# Altium PCB mutiADC_STM.PcbDoc (part 2 of 2)
Units mil, origin at the board's own origin, x right, y up, seen from the top; angles counter-clockwise.
Board outline 3937.01 x 3937.01 mil, 4 copper layers (Top Layer, Layer 1, Layer 2, Bottom Layer), stack 23.756 mil thick; 166 components, 112 nets, 567 pads, 136 vias.
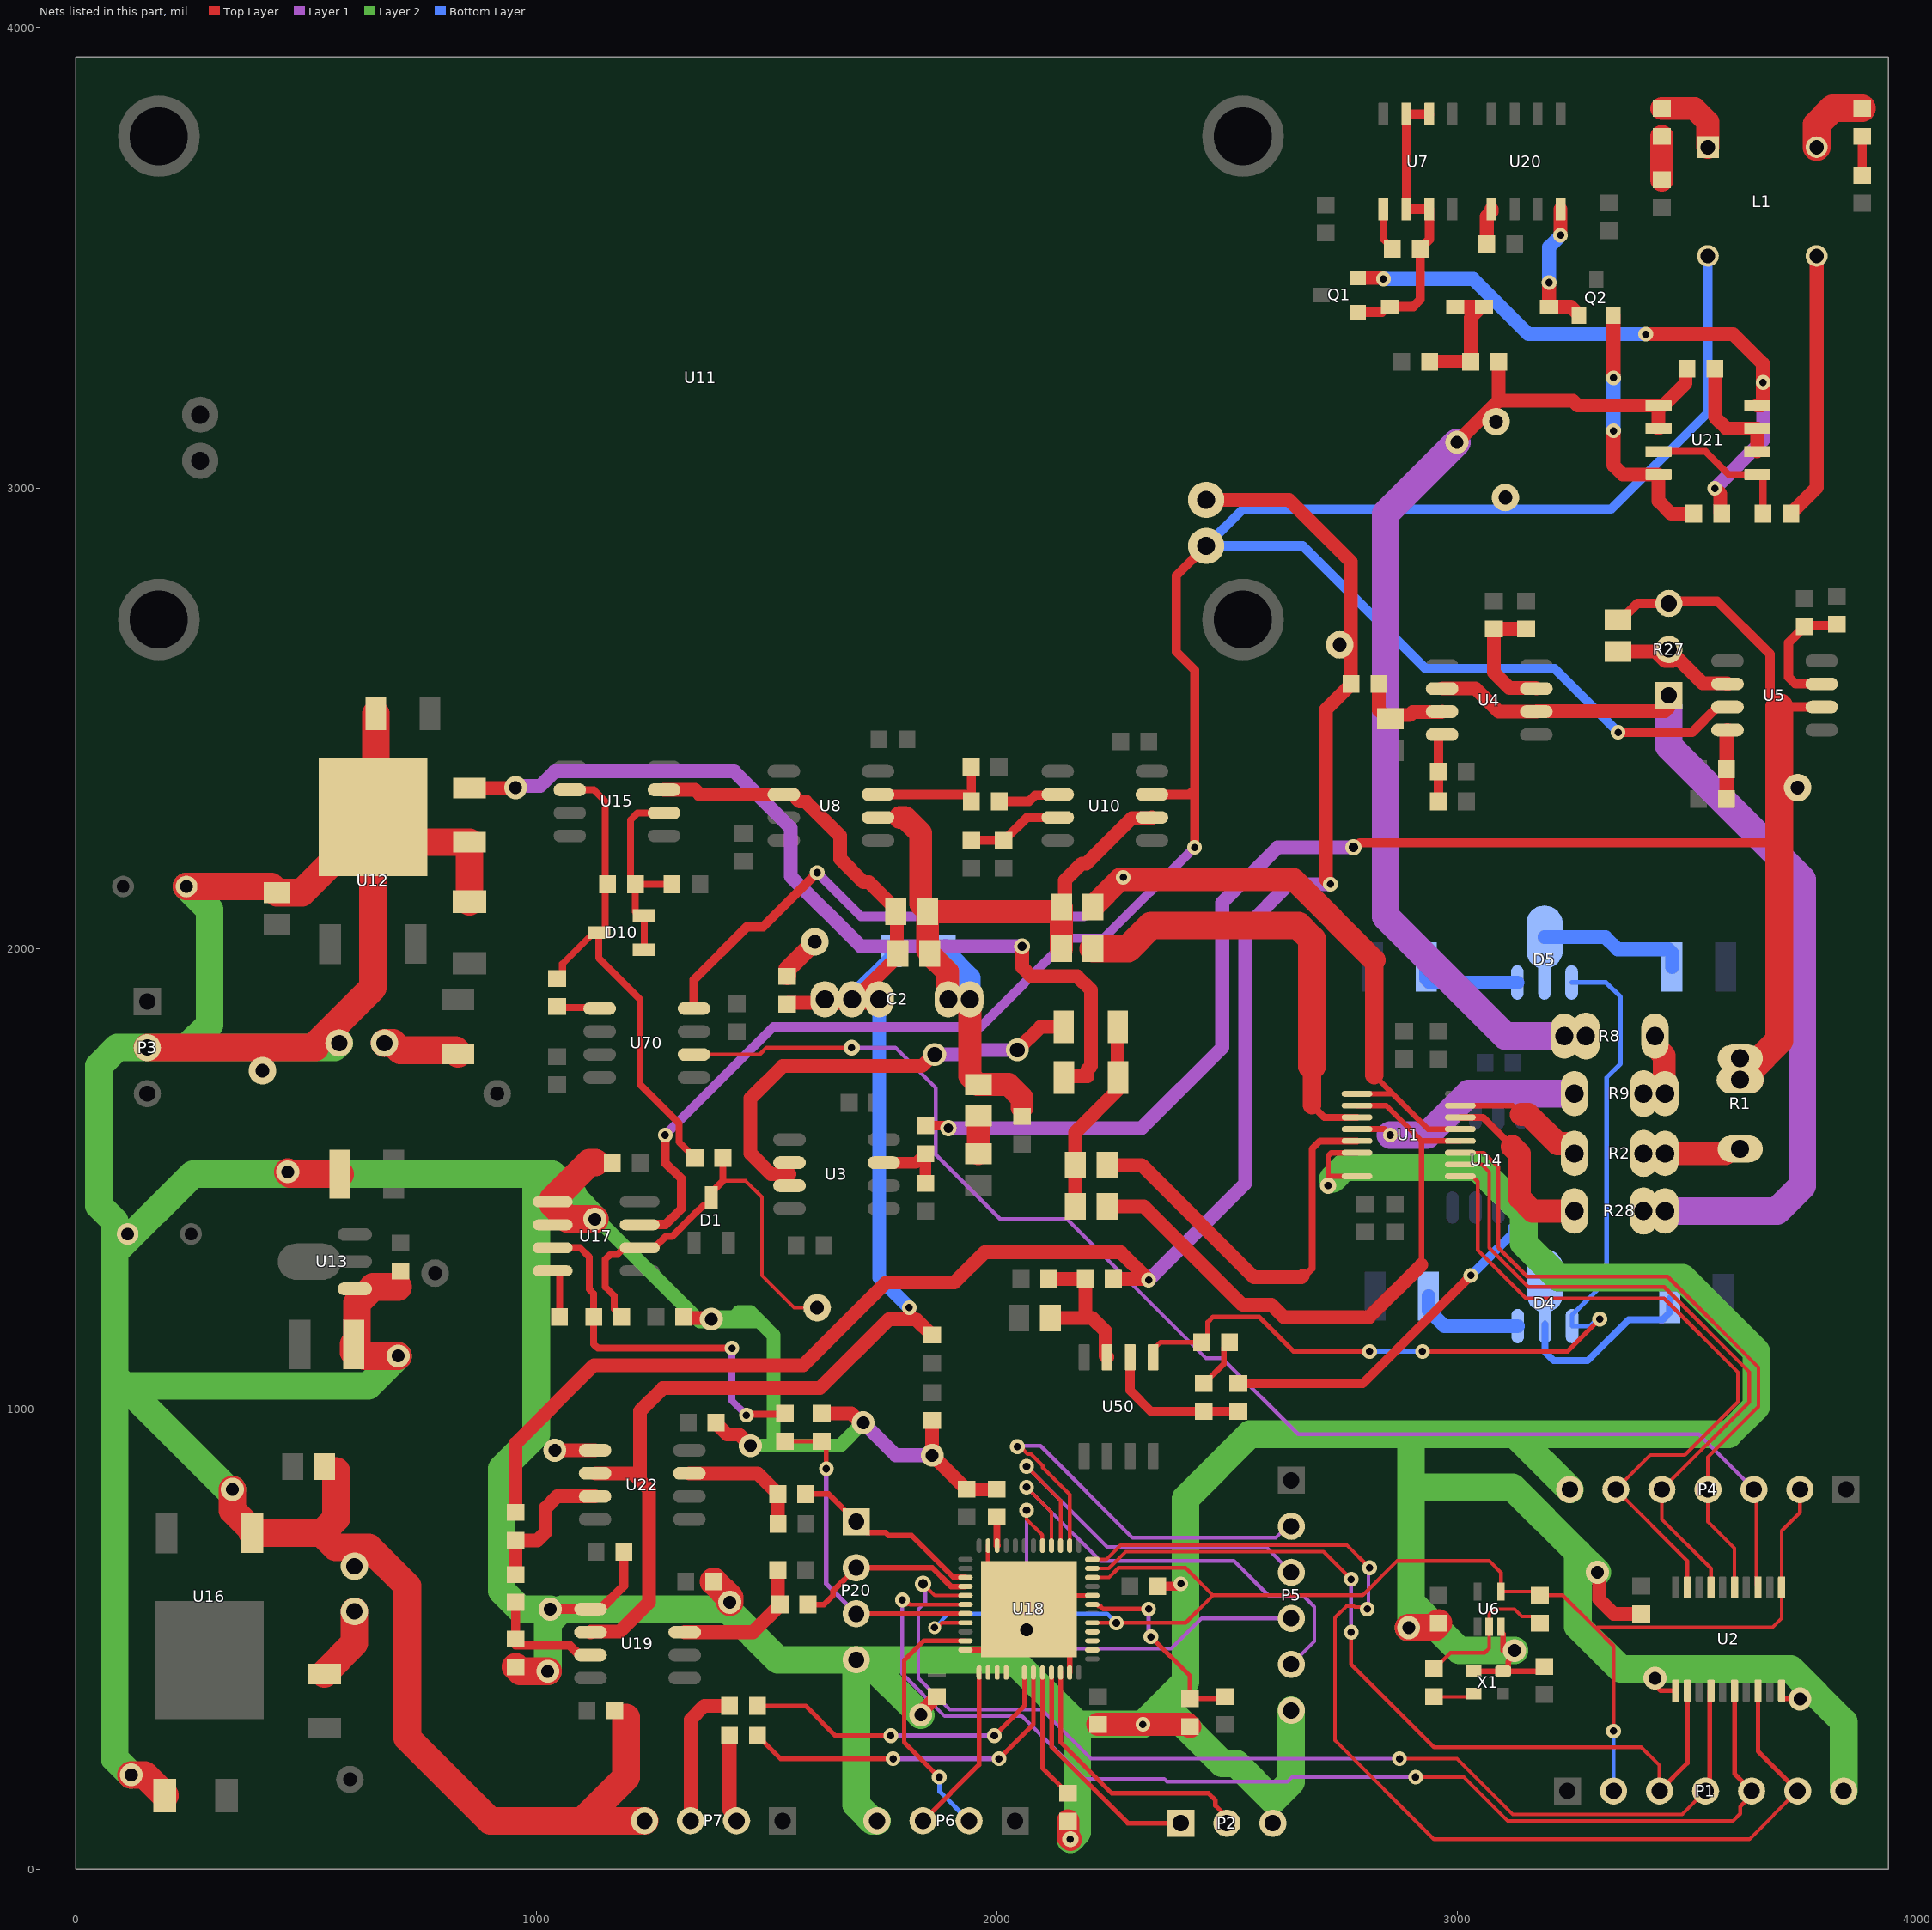
[diagram p4: the nets of this part, all layers, seen from the top]

## Via types
v1: diameter 32, hole 16, Top Layer to Bottom Layer, tented both sides, 52 vias
v2: diameter 50, hole 28, Top Layer to Bottom Layer, tented both sides, 45 vias
v3: diameter 35, hole 20, Top Layer to Bottom Layer, tented both sides, 29 vias
v4: diameter 35, hole 16, Top Layer to Bottom Layer, tented both sides, 7 vias
v5: diameter 50, hole 32, Top Layer to Bottom Layer, tented both sides, 2 vias
v6: diameter 28, hole 16, Top Layer to Bottom Layer, tented both sides, 1 vias

## Nets (pads, with @x,y where several pads share a name; then routed paths per layer and width w, separated by ;. In a path a pad name is that pad's centre, name@x,y a point inside that pad or via, vN(x,y) a via of type N, cw(c..) or ccw(c..) an arc to the next point about the centre after c; other vN are vias at no path point) (continued)
AGND1: R62.2 R99.1 | length 1892.5
  Top Layer w30: R99.1@855,2348.66 953.66,2348.66 v2(955,2350) ; v3(2055,2005) 2055.96,2004.04 2055.96,1959.04 2075,1940 2175,1940 2205,1910 2205,1745 2197.5,1737.5 2197.5,1722.5 2148.84,1722.5 R62.2@2146.34,1720
  Layer 1 w30: v2(955,2350) 958.83,2353.83 1008.83,2353.83 1040,2385 1430,2385 1552.5,2262.5 1552.5,2157.5 1705,2005 v3(2055,2005)
AGND2: R33.2 U1.2 U1.12 | length 1355.5
  Top Layer w12: U1.2@2782.8,1658.98 2782.91,1658.86 2846.14,1658.86 2922.8,1582.2 ; 2922.8,1312.8 2922.8,1582.2 ; U1.12@3007.2,1582.2 2922.8,1582.2
  Top Layer w30: R33.2@2239.45,1440 2320,1440 2534,1226 2597.14,1226 2623.64,1199.5 2809.5,1199.5 2922.8,1312.8
BOOT0: R46.1 U18.44 | length 285.4
  Top Layer w10: U18.44@2099.53,427.2 2099.53,219.8 2154.02,165.31 R46.1@2155,165.31
BUF_OUT: pad.4 R8.2 R15.1 R21.2 U21.1 U21.2 | length 2362.7
  Top Layer w30: v2(3000,3100) 3090.31,3190.31 ; R15.1@3090.31,3275 3090.31,3190.31 ; U21.2@3437.72,3130 U21.1@3437.72,3180 ; R21.2@3499.68,3260 3496.38,3256.69 3496.38,3228.31 3448.07,3180 U21.1@3437.72,3180 ; 3090.31,3190.31 3252.09,3190.31 3262.4,3180 U21.1@3437.72,3180
  Layer 1 w60: v2(3000,3100) 2845,2945 2845,2070 3105,1810 R8.2@3233.15,1810 R8.2@3280,1810
CLOG1: P2.2 U18.46 | length 599.8
  Top Layer w10: U18.46@2138.9,427.2 2138.9,276.1 2250,165 2460,165 2475.31,149.69 2475.31,137.97 2500,113.27 P2.2@2500,100
CLOG2: P2.1 U18.45 | length 510.9
  Top Layer w10: U18.45@2119.21,427.2 2119.21,265.79 2285,100 P2.1@2400,100
CTS256N: P1.4 U2.4 U18.29 | length 2392.4
  Top Layer w8: v3(1840,620) 1865.47,594.53 U18.29@1932.2,594.53 ; v1(2875,240) 3000,240 3121,119 3489,119 P1.4@3540,170
  Top Layer w10: P1.4@3540,170 3548.74,178.74 3548.74,384.92 U2.4@3551.61,387.8
  Layer 1 w8: v3(1840,620) 1845,615 1845,580 1830,565 1830,415 1898.5,346.5 2098.5,346.5 2205,240 v1(2875,240)
CTS256NI: P4.5 U1.10 U2.17 | length 1501.9
  Top Layer w8: U1.10@3007.2,1531.02 3053.98,1531.02 3070,1515 3070,1350 3155,1265 3450,1265 3635,1080 3635,1015 P4.5@3445,825 3445,760 3551.61,653.39 U2.17@3551.61,612.2
CTS256P: P1.5 U2.6 U18.30 | length 2576.7
  Top Layer w8: v1@1805.16,574.84 v1(1795,585) 1801.49,585 1811.65,574.84 U18.30@1932.2,574.84 ; v1(2910,200) 3015,200 3110,105 3600,105 3615.12,120.12 3615.12,136.16 3640,161.04 P1.5@3640,170
  Top Layer w10: U2.6@3602.8,387.8 3602.8,207.2 P1.5@3640,170
  Layer 1 w8: v1(1795,585) 1795,424.5 1887,332.5 2055,332.5 2191.5,196 2364,196 2370,190 2631.75,190 2641.75,200 v1(2910,200)
CTS256PI: P4.4 U1.11 U2.15 | length 1490.9
  Top Layer w8: U1.11@3007.2,1556.61 3058.39,1556.61 3090,1525 3090,1350 3152.5,1287.5 3457.5,1287.5 3655,1090 3655,1005 3545,895 P4.4@3545,825 3545,755 3602.8,697.2 U2.15@3602.8,612.2
CTSZERO: P1.6 U2.8 U18.12 | length 2468.1
  Top Layer w8: U18.12@2207.8,673.27 2238.27,673.27 2269,704 2761,704 v1(2810,655) ; v1(2805,565) 2800.41,569.59 2777.91,569.59 2775.82,571.69 2759.92,571.69 2735,546.77 2735,280 2950,65 3635,65 P1.6@3740,170
  Top Layer w10: U2.8@3653.98,387.8 3653.98,256.02 P1.6@3740,170
  Layer 1 w8: v1(2805,565) 2807.5,567.5 2807.5,652.5 v1(2810,655)
CTSZEROI: P4.3 U2.13 U70.6 | length 3007.9
  Top Layer w8: U70.6@1342.36,1770 1485,1770 1500,1785 v4(1685,1785) ; P4.3@3645,825 3650.1,819.9 3650.1,616.08 U2.13@3653.98,612.2
  Layer 1 w8: v4(1685,1785) 1780,1785 1867.5,1697.5 1867.5,1552.5 2007.5,1412.5 2152.5,1412.5 2455,1110 2490,1110 2655,945 3525,945 P4.3@3645,825
CTVIN: P1.3 U2.2 U18.11 | length 1846.1
  Top Layer w8: U18.11@2207.8,653.58 2243.78,653.58 2280.2,690 2710,690 v1(2770,630) ; v1(2770,515) 2770,445 2950,265 3400,265 3440,225 P1.3@3440,170
  Top Layer w10: P1.3@3440,170 3500.43,230.43 U2.2@3500.43,387.8
  Layer 1 w8: v1(2770,515) v1(2770,630)
CTVINI: P4.6 U1.9 U2.19 | length 1551.9
  Top Layer w8: U1.9@3007.2,1505.43 3033.13,1505.43 3045,1493.56 3045,1345 3150,1240 3450,1240 3610,1080 3610,1015 3495,900 3420,900 P4.6@3345,825 3500.43,669.57 U2.19@3500.43,612.2
D_CS: U18.4
D_SCK: U18.2
D_SDI: U18.3
GND: C6.2 C9.2 C15.2 C23.2 C24.1 C33.2 C34.2 C36.2 C37.2 C38.2 C39.2 C40.2 C41.2 C42.2 C43.2 C44.2 C45.2 C46.2 C52.2 C53.2 C58.2 C90.2 C97.2 C98.2 D6.1 D7.1 P1.7 P2.3 P3.2 P4.7 P5.6 P6.4 P7.4 P20.4 pad.11 R40.1 R46.2 R67.2 R78.1 R85.2 R99.2 U1.6 U1.8 U2.1 U2.10 U6.3 U12.2 U13.1 U16.1 U17.5 U17.6 U18.0 U18.8 U18.23 U18.35 U18.47 U19.1 U22.1 X1.1 X1.2 | length 22781.3
  Top Layer w10: U18.23@1981.42,702.8 1981.42,653.58 U18.0@2070,565 2099.53,594.53 U18.8@2207.8,594.53 ; v2(3430,415) 3430,400 3442.2,387.8 U2.1@3474.84,387.8 ; U2.10@3705.16,387.8 3705.16,372.87 3708.03,370 3708.03,370.57 3744.43,370.57 v2(3745,370)
  Top Layer w12: 1128.38,1535 C42.2@1164.68,1535 ; U18.35@1932.2,476.42 1981.42,476.42 U18.0@2070,565 2158.58,476.42 U18.47@2158.58,427.2 ; v4(2720,1485) 2720,1505 ; U1.8@2782.8,1505.43 2720.43,1505.43 2720,1505 ; U1.6@2782.8,1556.61 2727.03,1556.61 2720,1549.58 2720,1505 ; X1.2@3035.83,430 X1.1@3100,430 X1.1@3104.29,430 ; U6.3@3095.59,526.81 3095.59,515.39 3100,510.98 v2@3100,475 ; v2(3125,475) 3125,464.72 3111.21,450.92 3111.21,436.92 X1.1@3104.29,430 ; C6.2@3190,440.32 3179.69,430 X1.1@3104.29,430
  Top Layer w20: v2(1030,565) U19.1@1117.64,565 1139.29,565 1190,615.71 C38.2@1190,690 ; C46.2@2350.32,615 2395,615 v1(2400,620)
  Top Layer w30: v2(1040,910) U22.1@1127.64,910 ; C41.2@1320.32,1200 1322.82,1197.5 1377.5,1197.5 v2(1380,1195) ; C9.2@1390.32,970 1390.32,969.02 1414.33,945 1440,945 v2(1465,920) ; R78.1@1620,990.31 1684.29,990.3 1704.59,970 v2(1710,970) ; v2(1835,335) 1838.83,338.83 1838.83,344.5 1869.02,374.68 C40.2@1870,374.68 ; R40.1@1860,974.69 v2(1860,899.33) 1934.02,825.32 C52.2@1935,825.32 1935.16,825.47 1999.84,825.47 C53.2@2000,825.63 ; v2(3305,645) 3308.83,641.17 3308.83,586.17 3340.31,554.68 C90.2@3400,554.68
  Top Layer w50: R46.2@2155,104.68 2155,70 v4(2160,65) ; C45.2@2220,314.68 v1(2317.5,314.68) 2415,314.68 C39.2@2420,309.68
  Top Layer w60: v2(120,205) 149.09,205 193.07,161.02 D6.1@193.07,160 ; P3.2@155,1785 520,1785 520,1790 645,1915 U12.2@645,2275.75 ; C23.2@240,2135 423.53,2135 C33.2@436.76,2121.78 491.03,2121.78 U12.2@645,2275.75 ; v2(340,825) 340,779.89 382.96,736.93 U16.1@382.96,730 533.31,730 ; v2(460,1515) 465,1510 C44.2@573.86,1510 ; 565,865 565,761.69 533.31,730 ; R85.2@651.34,2510 651.34,2282.09 U12.2@649.92,2280.67 ; v2(700,1115) 628.07,1115 626.61,1116.46 610.24,1116.46 603.07,1123.62 C43.2@603.07,1140 610.24,1147.17 610.24,1229.85 645.38,1265 700,1265 ; D7.1@855,2101.93 R99.2@855,2231.34 699.25,2231.34 U12.2@649.92,2280.67 ; R67.2@955,439.68 964.68,430 v2(1025,430) ; v2(1127.47,1412.47) 1068.16,1412.47 1035.51,1445.12 1035.51,1454.88 1115.63,1535 1128.38,1535 ; 1195,330 1195,200 1100,105 ; P7.4@1235,105 1100,105 ; C98.2@1385.32,625 1420,590.32 v2(1420,580) ; v2(2895,525) 2950.32,525 C15.2@2960,534.68 ; 533.31,730 564.15,699.15 635.85,699.15 720,615 720,285 900,105 1100,105 ; U12.2@645,2275.75 U12.2@649.92,2280.67
  Layer 1 w30: v2(1710,970) 1780.67,899.33 v2(1860,899.33)
  Layer 2 w30: v2@1130,1415 1355,1190 1485,1190 ; v2(1380,1195) 1383.83,1198.83 1428.97,1198.83 1440.15,1210 1465,1210 1485,1190 ; v2(1465,920) 1515,920 ; v2(1710,970) 1660,920 1515,920 ; 1485,1190 1515,1160 1515,920
  Layer 2 w60: v2(120,205) 83.6,241.4 83.6,1050 105,1050 ; C23.2@240,2135 290,2085 290,1835 240,1785 ; v2(340,825) 330,825 105,1050 ; C34.2@571.69,1795 561.69,1785 240,1785 ; v2(700,1115) 635,1050 105,1050 ; v2(1025,430) 1025,535 1055,565 1415,565 1525,455 P20.4@1695,455 ; v2(1030,565) 965,565 925,605 925,870.15 1000,945.15 1000,1510 ; v2(1127.47,1412.47) 1081.24,1458.71 1081.24,1463.76 1035,1510 1000,1510 ; P6.4@1740,105 1730.15,105 1695,140.15 P20.4@1695,455 ; v2(1835,335) P20.4@1715,455 ; v2(2065,520) 2000,455 ; v4(2160,65) 2175.32,80.32 2175.32,314.68 ; P5.6@2640,345 2640,190 2600,150 2520,230 2490,230 2361.41,358.59 ; 2730,1500 2755,1525 3045,1525 3145,1425 3145,1360 3220,1285 3490,1285 3650,1125 3650,1005 3590,945 3125,945 ; v2(2895,525) 2900,530 2900,580 ; v2(3125,475) 3005,475 2900,580 ; P4.7@3245,825 3125,945 ; v2(3305,645) 3262.5,687.5 ; P1.7@3840,170 3840,320 3725,435 3355,435 3262.5,527.5 3262.5,687.5 ; 83.6,1340 83.6,1408.6 50,1442.2 50,1745 90,1785 P3.2@155,1785 240,1785 ; 83.6,1340 83.6,1071.4 105,1050 ; 83.6,1340 253.6,1510 1000,1510 ; P20.4@1695,455 P20.4@1715,455 ; P20.4@1715,455 2000,455 ; 2000,455 2035,455 2175.32,314.68 ; 2175.32,314.68 v1(2317.5,314.68) 2361.41,358.59 ; 2361.41,358.59 2410,407.18 2410,805 2550,945 2900,945 ; 2900,580 2900,830 ; 2900,830 2900,945 ; 2900,830 3120,830 3262.5,687.5 ; 2900,945 3125,945
  Bottom Layer w50: P2.3@2600,100 P2.3@2600,102.45 ; P5.6@2638.27,343.27 P5.6@2640,345
GNDN: R10.2 U1.5 | length 919.4
  Top Layer w15: 2665,1289.14 2669.14,1289.14 2685,1305 2685,1565 2702.2,1582.2 U1.5@2782.8,1582.2
  Top Layer w30: R10.2@2239.45,1530 2315,1530 2559,1286 2661.86,1286 2665,1289.14
GNDSINK: R61.2 U3.6 U3.7 | length 968.6
  Top Layer w30: 1550,1510 1510,1510 1465,1555 1465,1675 1535,1745 1837.43,1745 1862.43,1770 v5(1865,1770) ; v5(2045,1780) 2095,1830 R61.2@2145.79,1830
  Layer 1 w30: v5(1865,1770) 1940,1770 1950,1780 v5(2045,1780)
GNDT: R10.1 R33.1 R61.1 R62.1 | length 428.3
  Top Layer w30: R33.1@2170.55,1440 R10.1@2170.55,1530 2170.55,1600.55 2263.11,1693.11 R61.1@2263.11,1830
INBUF: R9.1 U1.4 | length 514.8
  Top Layer w13: U1.4@2782.8,1607.8 2842.2,1607.8 v1(2855,1595)
  Layer 1 w60: v1(2855,1595) 2935,1595 3025,1685 R9.1@3255,1685
Net1k_1: 1k.1 D10.1 D10.2 R38.2 U15.2 | length 458.8
  Top Layer w15: D10.1@1234.21,1997.6 D10.2@1234.21,2072.4 1223.39,2072.4 1215.32,2080.47 R38.2@1215.32,2140 ; U15.2@1277.36,2295 1276.79,2294.43 1219.43,2294.43 1205,2280 1205,2150.32 R38.2@1215.32,2140 ; 1k.1@1294.69,2140 R38.2@1215.32,2140
NetC4_1: C4.1 R27.2 U5.2 | length 285.1
  Top Layer w30: C4.1@3350,2645.55 3431.59,2645.55 3452.14,2625 R27.2@3467.86,2625 ; R27.2@3460,2650 3533.78,2576.22 3586.42,2576.22 U5.2@3587.64,2575
NetC5_2: C5.2 R4.2 U4.7 | length 271.5
  Top Layer w30: R4.2@3150,2694.68 C5.2@3080,2694.68 3080,2600 3113.78,2566.22 3171.14,2566.22 U4.7@3172.36,2565
NetC7_2: C7.2 R5.2 U5.7 | length 261.7
  Top Layer w20: C7.2@3745.71,2690.39 3720,2664.68 3720,2590 3735,2575 U5.7@3792.36,2575 ; C7.2@3755,2699.68 3757.5,2702.18 3822.5,2702.18 R5.2@3825,2704.68
NetC13_1: C13.1 X1.3 | length 88.7
  Top Layer w8: C13.1@2950,374.68 3028.94,374.68 X1.3@3035.83,381.57
NetC13_2: C13.2 R3.2 U6.2 | length 340.2
  Top Layer w8: C13.2@2950,435.32 2950.98,435.32 2985.67,470 3060,470 3070,480 U6.2@3070,526.81 3070,555 3080,565 3125,565 3141.01,548.99 3165.69,548.99 R3.2@3180,534.68
NetC16_2: C16.2 R12.2 U4.3 | length 208.4
  Top Layer w30: R12.2@2830.32,2575 2830.32,2518.03 2848.9,2499.45 C16.2@2855,2499.45 2862.83,2507.28 2897.28,2507.28 2903.78,2513.78 2966.42,2513.78 U4.3@2967.64,2515
NetC19_2: C19.2 R16.1 U4.4 | length 150.9
  Top Layer w20: R16.1@2959.69,2320 2959.69,2461.51 2963.18,2465 U4.4@2967.64,2465
NetC20_2: C20.2 D2.1 D3.2 R15.2 | length 277.3
  Top Layer w30: C20.2@2940.32,3275 R15.2@3029.68,3275 3029.68,3370.87 3053.82,3395 D2.1@2995.87,3395
NetC22_2: C22.2 R19.1 U5.4 | length 151.6
  Top Layer w30: R19.1@3585.31,2325 3585.31,2473.78 3586.54,2475 U5.4@3587.64,2475
NetC28_2: C28.2 R29.2 | length 81.7
  Top Layer w50: R29.2@1960,1554.45 C28.2@1960,1636.1
NetC29_1: C29.1 R23.1 | length 94.4
  Top Layer w50: C29.1@3445,3670.31 R23.1@3445,3764.69
NetC30_1: C30.1 R13.1 U10.7 | length 208.2
  Top Layer w20: R13.1@1945,2235.31 C30.1@2015,2235.32 2015.98,2235.32 2065.67,2285 U10.7@2132.64,2285
NetC34_1: C34.1 R35.2 | length 171
  Top Layer w60: C34.1@670.12,1795 688.66,1795 704.57,1779.09 824.57,1779.09 830,1773.66 R35.2@830,1771.34
NetC37_1: C37.1 R36.2 | length 163.1
  Top Layer w60: R36.2@540,423.66 540,425.98 605,490.98 C37.1@605,559.88
NetC50_1: C50.1 R50.2 | length 113.3
  Top Layer w12: R50.2@2450,1055.32 2450.98,1055.32 2493.32,1097.65 2493.32,1132.69 C50.1@2505.63,1145
NetC50_2: C50.2 D4.1 D5.1 U50.1 | length 2037.5
  Top Layer w10: U50.1@2340,1112.28 2340,1129.02 2355.98,1145 C50.2@2445,1145 2458.31,1158.31 2458.31,1188.31 2470,1200 2570,1200 2645,1125 v1(2810,1125) ; v1(2925,1125) 3240,1125 v1(3310,1195)
  Bottom Layer w10: v1(2810,1125) v1(2925,1125) ; D5.1@3249.06,1926.57 3323.43,1926.57 3355,1895 3355,1750 3325,1720 3325,1278.62 3250,1203.62 D4.1@3250,1180 3289.05,1180 3304.05,1195 v1(3310,1195)
NetC51_2: C51.2 R53.1 R58.2 U50.3 | length 356.7
  Top Layer w30: R58.2@2113.46,1282.47 R53.1@2192.83,1282.47 2192.83,1205.3 2185,1197.47 ; C51.2@2117.05,1197.47 2185,1197.47 ; U50.3@2240,1112.28 2236.81,1115.47 2236.81,1168.19 2207.53,1197.47 2185,1197.47
NetC55_1: C55.1 R24.1 | length 84.7
  Top Layer w20: C55.1@3880,3680.31 R24.1@3880,3765
NetD1_3: D1.3 pad.7 R56.2 R81.1 U17.2 | length 946.2
  Top Layer w8: 1405.32,1495.35 1454.65,1495.35 1490,1460 1490,1290 1560,1220 pad.7@1610,1220
  Top Layer w15: R81.1@1185.31,1200 1185.31,1200.98 1169.36,1216.94 1169.36,1245.64 1150,1265 1150,1325 1160.61,1335.61 1176.27,1335.61 1190.66,1350 U17.2@1224.49,1350 1255.98,1350 1280.98,1375 1295,1375 1345,1425 1345.79,1425 1362.89,1442.11 1373.72,1442.11 1380,1448.39 D1.3@1380,1459.21 1380,1470.04 1405.32,1495.35 R56.2@1405.32,1545
NetD2_2: D2.2 Q1.1 R14.2 U7.2 U7.3 U7.6 U7.7 | length 658.6
  Top Layer w20: Q1.1@2784.37,3382.6 2836.81,3382.6 2849.21,3395 D2.2@2854.13,3395 2905,3395 2920.32,3410.32 R14.2@2920.32,3520 2920.32,3520.98 2940,3540.67 U7.3@2940,3606.65 U7.2@2890,3606.65 U7.7@2890,3813.35 U7.6@2940,3813.35
NetD3_1: D3.1 Q2.1 U20.4 | length 296.6
  Top Layer w30: v1(3200,3447) D3.1@3200,3395 3200.24,3394.76 3247.4,3394.76 3265.2,3376.97 Q2.1@3265.2,3375 ; v1(3225,3550) U20.4@3225,3606.65
  Bottom Layer w30: v1(3200,3447) 3200,3524.46 3225,3549.46 v1(3225,3550)
NetD4_2: D4.2 R32.1 | length 412.7
  Bottom Layer w15: D4.2@3190.94,1183.94 3190.94,1124.06 3210,1105 3283.82,1105 3372.78,1193.96 3446.59,1193.96 3461.93,1209.29 R32.1@3461.93,1240
NetD4_3: D4.3 R55.2 | length 238.7
  Bottom Layer w30: R55.2@2938.07,1245 2938.07,1214.29 2972.36,1180 D4.3@3131.89,1180
NetD5_2: D5.2 R48.1 | length 321.8
  Bottom Layer w30: D5.2@3190,2025 3322.58,2025 3349.03,1998.54 3459.09,1998.54 3466.93,1990.71 R48.1@3466.93,1960
NetD5_3: D5.3 R57.2 | length 226.7
  Bottom Layer w30: R57.2@2933.07,1960 2933.07,1934.41 2940.91,1926.57 D5.3@3130.94,1926.57
NetL1_3: L1.3 R18.1 | length 583.2
  Top Layer w30: R18.1@3725.31,2945 3725.31,2945.98 3781.22,3001.89 L1.3@3781.22,3505
NetR1_1: R1.1 R2.2 | length 214.1
  Top Layer w50: R2.2@3405,1555 R2.2@3451.85,1555 3582.86,1555 3592.86,1565 R1.1@3615,1565
NetR8_1: R8.1 R9.2 | length 134.1
  Top Layer w50: R8.1@3430,1810 3430,1787.86 3450.12,1767.75 3450.12,1686.73 R9.2@3451.85,1685
NetR14_1: R14.1 U7.1 | length 94.8
  Top Layer w15: U7.1@2840,3606.65 2840,3540.67 2859.69,3520.98 R14.1@2859.69,3520
NetR17_1: R17.1 U20.1 | length 80.9
  Top Layer w30: R17.1@3064.69,3530 3064.69,3590.91 3075,3601.22 U20.1@3075,3606.65
NetR18_2: R18.2 U21.3 U21.5 | length 330.2
  Top Layer w15: U21.3@3437.72,3080 3540,3080 3590,3030 U21.5@3652.28,3030 3660.37,3030 3664.68,3025.69 R18.2@3664.68,2945
NetR20_2: R20.2 R22.1 U3.3 | length 162.8
  Top Layer w25: U3.3@1754.72,1535 1824.33,1535 1844.02,1554.69 R22.1@1845,1554.69 R20.2@1845,1490.32
NetR21_1: R21.1 U21.6 U21.7 | length 257.5
  Top Layer w30: R21.1@3560.31,3260 3560.31,3154.69 3585,3130 U21.7@3652.28,3130 U21.6@3652.28,3080
NetR25_2: R25.2 R26.1 U22.7 | length 276.7
  Top Layer w30: U22.7@1332.36,860 1480.67,860 1524.69,815.98 R26.1@1524.69,815 1524.84,814.84 1524.84,750.16 R25.2@1525,750
NetR30_1: R30.1 R34.1 U8.3 | length 288.4
  Top Layer w20: U8.3@1742.36,2335 1930.98,2335 R30.1@1945,2320.98 ; R30.1@1945,2320 R30.1@1945,2320.98 ; R34.1@1945,2400 R30.1@1945,2320.98
NetR30_2: R30.2 U10.6 | length 138.4
  Top Layer w20: R30.2@2005.63,2320 2010.63,2325 2010.63,2323.31 2013.94,2320 2070,2320 2083.55,2333.55 2131.19,2333.55 U10.6@2132.64,2335
NetR31_1: R31.1 R64.2 U22.3 | length 317.4
  Top Layer w30: R31.1@955,640.31 R64.2@955,714.37 1002.43,714.37 1020,731.94 1020,785 1045,810 U22.3@1127.64,810
NetR31_2: R31.2 R67.1 U19.3 | length 262.9
  Top Layer w20: R67.1@955,487.01 1071.93,487.01 1093.94,465 U19.3@1117.64,465 ; R31.2@955,579.68 R67.1@955,500.31 R67.1@963.31,492.01
NetR47_2: R47.2 U70.1 | length 94.6
  Top Layer w15: R47.2@1045,1874.68 1047.34,1872.34 1135.3,1872.34 U70.1@1137.64,1870
NetR50_1: R50.1 R51.2 U50.2 | length 326.1
  Top Layer w20: U50.2@2290,1112.28 2290,1040 2335.31,994.69 R50.1@2450,994.69 R51.2@2525,994.68
NetR65_2: R65.2 R66.1 U19.7 | length 309.4
  Top Layer w30: U19.7@1322.36,515 1470.35,515 1529.37,574.02 R66.1@1529.37,575 1526.06,578.31 1526.06,585.91 1524.68,587.28 R65.2@1524.68,650
NetR80_2: R80.2 U17.8 | length 112.5
  Top Layer w15: U17.8@1035.51,1300 1046.33,1300 1050.32,1296.02 R80.2@1050.32,1200
NetR81_2: R81.2 R82.1 U17.7 | length 828.8
  Top Layer w15: U17.7@1035.51,1350 1095,1350 1115,1330 1115,1260 1124.68,1250.32 R81.2@1124.68,1200 1124.68,1140.79 1133.47,1132 v1(1425,1132) ; v1(1456.3,986.46) 1458.23,988.39 1538.07,988.39 R82.1@1540,990.31
  Layer 1 w15: v1(1425,1132) 1425,1017.76 v1(1456.3,986.46)
NRST: C39.1 R42.1 U18.7 | length 435.3
  Top Layer w10: U18.7@2207.8,574.84 2218.31,574.84 2221.48,571.67 2224.87,571.67 2231.54,565 v1(2330,565) ; v1(2335,505) 2420,420 C39.1@2420,370.32 2490,370.32 R42.1@2495,375.31
  Layer 1 w10: v1(2330,565) 2330,510 v1(2335,505)
PA15: U18.38
PB3: U18.39
PB4: U18.40
REF+: R27.1 R28.2 U4.2 U4.6 | length 1998.3
  Top Layer w30: U4.2@2967.64,2565 3040,2565 3090,2515 U4.6@3172.36,2515 3173.58,2516.22 3451.22,2516.22 R27.1@3460,2525
  Layer 1 w60: R28.2@3451.85,1430 3695,1430 3750,1485 3750,2150 3460,2440 R27.1@3460,2525
REF-: C4.2 pad.6 R1.2 R22.2 R27.3 U5.6 | length 3766
  Top Layer w20: R22.2@1845,1615.32 1889.68,1615.32 v3(1895,1610) ; v3(2775,2220) 2779.06,2220 2789.06,2230 3700,2230 ; C4.2@3350,2714.45 3356.1,2714.45 3391.65,2750 R27.3@3460,2750 3465,2755 3565,2755 3680,2640 3680,2545 3700,2525 U5.6@3792.36,2525
  Top Layer w60: R1.2@3615,1715 3635.71,1715 3636.18,1715.47 3636.18,1736.18 3700,1800 3700,2230 3700,2525
  Layer 1 w30: v3(1895,1610) 2315,1610 2490,1785 2490,2100 2610,2220 v3(2775,2220)
REFGND: L1.2 pad.3 U5.3 U10.3 U11.3 U17.3 | length 5357.7
  Top Layer w20: U17.3@1224.49,1400 1225.18,1400.69 1280.69,1400.69 1315,1435 1315,1500 1280,1535 v1(1280,1595) ; U10.3@2337.36,2335 2418.28,2335 2430,2346.72 ; v1(2430,2220) 2430,2346.72 ; U11.3@2455,2875 2390,2810 2390,2645 2430,2605 2430,2346.72 ; v1(3350,2470) 3510.98,2470 3565.98,2525 U5.3@3587.64,2525
  Layer 1 w20: v1(1280,1595) 1515,1830 1965,1830 2157.5,2022.5 2232.5,2022.5 v1(2430,2220)
  Bottom Layer w20: v1(3350,2470) 3211.92,2608.08 2931.92,2608.08 2665,2875 U11.3@2455,2875 2535,2955 3335,2955 3545,3165 L1.2@3545,3505
RX: R43.1 U18.43 | length 764.2
  Top Layer w10: R43.1@1480.31,290 1480.31,289.02 1493.62,275.71 1494.61,275.71 1530.31,240 v1(1775,240) ; v1(2005,240) 2079.84,314.84 U18.43@2079.84,427.2
  Layer 1 w10: v1(1775,240) v1(2005,240)
RX2: P7.2 R43.2 | length 191.3
  Top Layer w30: R43.2@1419.68,290 1419.68,128.18 1435,112.86 P7.2@1435,105
S256+: R28.1 U1.14 | length 388.1
  Top Layer w15: U1.14@3007.2,1633.39 3056.61,1633.39 3120,1570
  Top Layer w50: 3120,1570 3135,1555 3135,1459.29 3164.29,1430 R28.1@3255,1430
S256-: R2.1 U1.15 | length 301
  Top Layer w12: U1.15@3007.2,1658.98 3121.02,1658.98 3140,1640
  Top Layer w50: 3140,1640 3155,1640 3218.58,1576.42 3250.82,1576.42 3255,1572.23 R2.1@3255,1555
SLOP: C2.1 C3.1 C25.1 C26.1 R11.2 R37.2 U8.6 U15.3 U19.2 U22.2 | length 3338.8
  Top Layer w30: U19.2@1117.64,515 1118.86,516.22 1181.22,516.22 1245,580 1245,825 1225,845 ; U22.2@1127.64,860 1210,860 1225,845 ; U15.3@1277.36,2345 1345,2345 1355,2335 U8.6@1537.64,2335 1556.85,2335 1572.07,2319.78 1585.22,2319.78 1660,2245 1660,2195 1710.53,2144.47 1722.74,2144.47 1781.1,2086.1 C26.1@1781.1,2080 1783.33,2077.78 1783.33,1992.22 C25.1@1785.55,1990 1785.55,1983.9 1707.06,1905.4 1699.37,1905.4 1685.94,1891.98 C2.1@1685.94,1890 ; R11.2@1545,1879.37 1548.31,1882.68 1737.68,1882.68 C2.1@1745,1890 ; R37.2@1860,1160.32 1859.02,1160.32 1824.67,1194.67 1765.58,1194.67 1615.91,1045 1275,1045 1225,995 1225,845
  Bottom Layer w30: C2.1@1685.94,1890 1685.94,1896.42 1771.34,1981.81 C3.1@1771.34,1995 ; C2.1@1745,1890 1745,1285 v1(1810,1220)
SLOP_TEST: pad.2 R11.1 | length 99.9
  Top Layer w39: R11.1@1545,1940 1545,1955 pad.2@1605,2015
SLOPOUT: D10.3 R38.1 R47.1 R56.1 U15.6 | length 1104.6
  Top Layer w15: R47.1@1045,1935.31 1045.98,1935.31 1056.79,1946.12 1056.79,1966.83 1124.96,2035 D10.3@1135.79,2035 ; U15.6@1072.64,2345 1125,2345 1150,2320 1150,2041.28 1143.72,2035 D10.3@1135.79,2035 ; R56.1@1344.69,1545 1344.69,1545.98 1333.88,1556.79 1332.89,1556.79 1310,1579.69 1310,1620 1225,1705 1225,1890 1135.79,1979.21 D10.3@1135.79,2035
SPI_CS: P5.2 U18.14 | length 959.5
  Top Layer w8: v1(2044.87,918) 2051.37,918 2067.05,902.32 2074.45,902.32 2100,876.77 2100,872.49 2158.58,813.9 U18.14@2158.58,702.8
  Layer 1 w8: v1(2044.87,918) 2046.75,919.87 2095.13,919.87 2295,720 2606.27,720 2631.27,745 P5.2@2640,745
SPI_MISO: P5.5 U18.16 | length 1028.1
  Top Layer w8: v1(2065,830) 2119.21,775.79 U18.16@2119.21,702.8
  Layer 1 w8: v1(2065,830) 2110,785 2225,670 2515,670 2592.5,592.5 2667.5,592.5 2690,570 2690,495 P5.5@2640,445
SPI_MOSI: P5.4 U18.17 | length 941.5
  Top Layer w8: v1(2065,780) 2065,760 2098.95,726.05 2098.95,703.37 U18.17@2099.53,702.8
  Layer 1 w8: v1(2065,780) 2065,570 2156,479 2379,479 2445,545 P5.4@2640,545
SPI_SCK: P5.3 U18.15 | length 873.1
  Top Layer w8: v1(2065,875) 2138.9,801.1 U18.15@2138.9,702.8
  Layer 1 w8: v1(2065,875) 2240,700 2585,700 P5.3@2640,645
SUM: R39.2 U1.1 U1.13 U70.8 | length 2463.6
  Top Layer w12: U1.1@2782.8,1684.57 2860.43,1684.57 ; 2820,1725 2860.43,1684.57 ; U1.13@3007.2,1607.8 2937.2,1607.8 2860.43,1684.57
  Top Layer w20: U70.8@1342.36,1870 1328.49,1870 1325,1873.49 1342.36,1873.49 1342.36,1932.36 1457.53,2047.53 1492.53,2047.53 v1(1610,2165)
  Top Layer w40: 2820,1725 2820,1975
  Top Layer w50: R39.2@2209.45,2090 2209.45,2091.77 v1@2267.68,2150 ; v1@2275,2150 2645,2150 2820,1975
  Layer 1 w20: v1(1610,2165) 1705,2070 2190,2070 v1(2275,2155)
SUM1: R41.2 U1.3 | length 977.5
  Top Layer w15: 2685,1660 2711.61,1633.39 U1.3@2782.8,1633.39
  Top Layer w40: 2685,1660 2685,1745
  Top Layer w60: R41.2@2209.45,2000 2285,2000 2335,2050 2655,2050 2685,2020 2685,1745
SWCLK: P6.3 U18.37 | length 372.6
  Top Layer w10: P6.3@1840,105 1961.73,226.73 U18.37@1961.73,427.2
SWDIO: P6.2 U18.34 | length 558
  Top Layer w10: v1(1875,200) 1799,276 1799,454 1841.1,496.1 U18.34@1932.2,496.1
  Bottom Layer w10: v1(1875,200) 1876,199 1876,169 P6.2@1940,105
SYS_CLK: P1.2 P4.2 R3.1 U2.11 U6.4 U18.5 U18.10 U18.32 | length 3096.6
  Top Layer w8: v6(1865,525) 1870.41,525 1880.88,535.47 U18.32@1932.2,535.47 ; U18.5@2207.8,535.47 2410.47,535.47 2470,595 ; U18.10@2207.8,633.9 2243.9,633.9 2265,655 2410,655 2470,595 ; v1(3340,300) 3340,485 3300,525 ; P4.2@3745,825 3745,775 3705.16,735.16 U2.11@3705.16,612.2 3705.16,545.16 3685,525 3300,525 ; 2470,595 2795,595 2870,670 3070,670 3095.59,644.41 U6.4@3095.59,603.19 3172.13,603.19 R3.1@3180,595.31 3229.69,595.31 3300,525
  Bottom Layer w8: v6(1865,525) 1895,555 2240,555 v1(2260,535) ; P1.2@3340,170 v1(3340,300)
TEMP1: R51.1 U14.1 | length 795.4
  Top Layer w20: R51.1@2525,1055.31 2795.31,1055.31 v1(3030,1290)
  Bottom Layer w20: v1(3030,1290) 3120,1380 3120,1393.94 3140,1413.94 U14.1@3140,1437.64
TX: R44.1 U18.42 | length 705.8
  Top Layer w10: R44.1@1480.31,355 1585,355 1650,290 v1(1770,290) ; v1(1995,290) 2060.16,355.16 U18.42@2060.16,427.2
  Layer 1 w10: v1(1770,290) v1(1995,290)
TX2: P7.3 R44.2 | length 317.1
  Top Layer w30: P7.3@1335,105 1335,325 1365,355 R44.2@1419.68,355
VB+: C27.2 Q1.2 U21.8 | length 1393.7
  Top Layer w30: Q1.2@2784.37,3457.4 2837.6,3457.4 v1(2840,3455) ; v1(3410,3335) 3600,3335 3664.62,3270.38 3664.62,3230.38 v1(3665,3230) 3664.62,3229.62 3664.62,3183.19 3661.43,3180 U21.8@3652.28,3180 ; v1(3560,3000) 3572.01,2987.99 3572.01,2948.31 C27.2@3575.31,2945
  Layer 1 w30: v1(3560,3000) 3665,3105 v1(3665,3230)
  Bottom Layer w30: v1(2840,3455) 3035,3455 3155,3335 v1(3410,3335)
VB-: C27.1 Q2.2 U21.4 | length 577
  Top Layer w30: v1(3340,3125) 3340,3050 3360,3030 U21.4@3437.72,3030 3437.72,2972.28 3465,2945 C27.1@3514.69,2945 ; v1(3340,3240) Q2.2@3340,3375
  Bottom Layer w30: v1(3340,3125) v1(3340,3240)
VCAP: C53.1 U18.22 | length 62.7
  Top Layer w15: C53.1@2000,765 2000.55,764.45 2000.55,703.35 U18.22@2001.1,702.8
VGND: C2.2 C3.2 C25.2 C26.2 C28.1 C31.1 R39.1 R41.1 U8.2 U10.2 | length 1584.4
  Top Layer w30: R39.1@2140.55,2090 2148.39,2097.83 2148.39,2148.39 2185,2185 2195,2185 2293.78,2283.78 2336.14,2283.78 U10.2@2337.36,2285
  Top Layer w50: 1790,2285 1800.71,2285 1834.94,2250.77 1834.94,2096.83 1850,2081.77 C26.2@1850,2080 ; C2.2@1895,1890 1893.27,1891.73 1893.27,1949.41 1854.45,1988.23 C25.2@1854.45,1990 1854.45,1991.77 1850,1996.22 C26.2@1850,2080 ; C2.2@1941.85,1890 1941.85,1723.15 1956.06,1708.94 1956.06,1707.17 1958.23,1705 C28.1@1960,1705 2025.71,1705 2055,1675.71 2055,1655 ; R41.1@2140.55,2000 R39.1@2140.55,2088.23 ; R39.1@2140.55,2090 R39.1@2140.55,2088.23 ; C26.2@1850,2080 2130.55,2080 2136.61,2086.06 2138.39,2086.06 R39.1@2140.55,2088.23
  Bottom Layer w50: C3.2@1888.66,1995 1888.66,1987.32 1940.12,1935.87 1940.12,1891.73 C2.2@1941.85,1890
VHIGH1: P20.1 R26.2 U18.27 | length 421.9
  Top Layer w12: R26.2@1585.32,815 1635,815 P20.1@1695,755 1718.53,731.47 1758.53,731.47 1765,725 1815.46,725 1906.07,634.39 1931.72,634.39 U18.27@1932.2,633.9
VIN: L1.4 R24.2 | length 162.6
  Top Layer w60: L1.4@3781.22,3741.22 3781.22,3790.48 3816.37,3825.63 R24.2@3880,3825.63
VING: L1.1 R23.2 | length 166.9
  Top Layer w50: R23.2@3445,3825.32 3515.71,3825.32 3545,3796.03 L1.1@3545,3741.22
VMEID1: P20.2 R66.2 U18.28 | length 398.1
  Top Layer w12: R66.2@1590,575 1625,575 1645,595 1645,605 P20.2@1695,655 1860,655 1900.79,614.21 U18.28@1932.2,614.21
VREF: pad.5 R12.1 R53.2 R64.1 U11.4 | length 3971.5
  Top Layer w30: R64.1@955,773.25 955,925 1125,1095 1580,1095 1760,1275 1908.5,1275 1973.5,1340 2270,1340 v1@2327.53,1282.47 ; R53.2@2253.46,1282.47 v1@2327.53,1282.47 ; v1(2330,1280) v1@2327.53,1282.47 ; U11.4@2455,2975 2635,2975 2769.69,2840.31 R12.1@2769.69,2575 2766.38,2571.69 2766.38,2570.71 2715,2519.33 2715,2150.54 2725,2140.54 v1(2725,2140)
  Layer 1 w30: v1(2330,1280) 2540,1490 2540,2045 2635,2140 v1(2725,2140)
VZERO: P20.3 R78.2 R82.2 U18.31 | length 723
  Top Layer w10: R82.2@1540,929.68 R78.2@1620,929.68 1630,919.68 v1(1630,870) ; P20.3@1695,555 1695.08,555.08 1810.96,555.08 1811.04,555.16 U18.31@1932.2,555.16
  Layer 1 w10: v1(1630,870) 1630,620 P20.3@1695,555
pads on no net: U2.3 U2.5 U2.7 U2.9 U2.12 U2.14 U2.16 U2.18 U4.1 U4.5 U4.8 U5.1 U5.5 U5.8 U6.1 U7.5 U7.8 U8.1 U8.5 U8.8 U10.1 U10.5 U10.8 U11.0 U14.2 U14.3 U14.5 U14.6 U14.7 U15.1 U15.5 U15.8 U18.6 U18.18 U18.19 U18.20 U18.21 U18.25 U18.26 U18.33 U18.41 U19.5 U19.6 U20.5 U20.8 U22.5 U22.6 U50.4 U50.5 U50.6 U50.7 U50.8

## Polygon pours and split planes (outlines as drawn)
GND on Bottom Layer "GND_L04_P006" (solid, pour order 6): 2725,1550 2735,1540 3085,1540 3085,1530 3190,1425 3190,1345 3910,1345 3925,1330 3915,1320 3915,895 3590,895 3580,905 3580,1095 2855,1095 2850,1090
GND on Bottom Layer "GND_L04_P000" (solid, pour order 0): 20,1850 195,1675 860,1675 1405,1520 1610,925 3920,925 3920,10 15,10
AGND on Layer 2 "AGND_L03_P007" (solid, pour order 7): 0,3925 10,3915 3930,3915 3930,985 3880,935 3850,965 35,965
GND on Layer 2 "GND_L03_P005" (solid, pour order 5): 2725,1550 3065,1550 3175,1440 3175,1370 3210,1335 3910,1335 3915,1340 3915,905 3585,905 3575,915 3575,1095 2840,1095
GND on Layer 2 "GND_L03_P001" (solid, pour order 1): 5,1685 900,1685 1045,1540 1415,1540 1415,1270 1755,930 3910,930 3910,35 3940,5 3935,0 25,0
GND on Layer 1 "GND_L02_P004" (solid, pour order 4): 2715,1555 3065,1555 3185,1435 3185,1375 3215,1345 3920,1345 3920,915 3925,910 3575,910 3575,1080 3550,1105 3540,1095 2840,1095
GND on Layer 1 "GND_L02_P002" (solid, pour order 2): 15,1790 900,1790 1050,1640 1050,1530 1440,1530 1435,1525 1435,1250 1755,930 3925,930 3925,10 3905,-10 25,-10
GND on Top Layer "GND_L01_P003" (solid, pour order 3): 15,1785 905,1785 1095,1595 1095,1535 1370,1535 1460,1445 1460,1210 1745,925 3925,925 3925,0 3915,-10 20,-10

## Silkscreen, mask and mechanical layers (free items; w line width, h text height)
Top Overlay:
  text "BOUT" at 3148,3123 h40
  text "BGND" at 3158,2958 h40
  text "REF" at 2803,2643 h40
  text "REF-" at 3743,2258 h40
  text "SLOP" at 1588,2058 h40
  text "+15V" at 273,1878 h40
  text "G" at 433,1653 h40
  text "-15V" at 248,1628 h40
  text "+5" at 848,1598 h40
  text "-5V" at 743,1208 h40
  text "SLOUT" at 1573,1133 h40
  text "CLK" at 1968,1083 h40
  text "CI" at 3367,948 h40 r90
  text "+2" at 3882,948 h40 r90
  text "2P" at 3572,938 h40 r90
  text "ZR" at 3662,938 h40 r90
  text "CLK" at 3792,938 h40 r90
  text "2N" at 3467,933 h40 r90
  text "VH" at 1773,733 h40
  text "VM" at 1778,643 h40
  text "VZ" at 1768,533 h40
  text "CI" at 3452,263 h40 r90
  text "ZR" at 3762,263 h40 r90
  text "G" at 3867,263 h40 r90
  text "CLK" at 3357,258 h40 r90
  text "2N" at 3567,258 h40 r90
  text "2P" at 3662,258 h40 r90
  text "TX" at 1303,203 h40
  text "L1" at 2407,203 h40 r90
  text "CLK" at 1852,198 h40 r90
  text "DIO" at 1952,198 h40 r90
  text "L2" at 2522,198 h40 r90
  text "VCC" at 2057,188 h40 r90
  text "+3" at 563,103 h40
  text "G" at 1088,83 h40
Mechanical 1:
  lines w10: 0,0 3937.01,0 3937.01,3935 0,3935 0,0 ; 2585,1330 ccw(c2612.5,1357.5) 2640,1330 2640,1975 ccw(c2612.5,1947.5) 2585,1975 2585,1330 ; 2915,1025 cw(c2942.5,1052.5) 2915,1080 3560,1080 cw(c3532.5,1052.5) 3560,1025 2915,1025 ; 2920,2145 cw(c2947.5,2172.5) 2920,2200 3565,2200 cw(c3537.5,2172.5) 3565,2145 2920,2145

## Text inside footprints (layer, text, board x,y; h text height)
D2: Mechanical 15 "1" at 2942.71,3388.53 h40 r90
D3: Mechanical 15 "1" at 3146.85,3388.53 h40 r90